# Allegro board 6089-103-RevA_73.brd (continued)
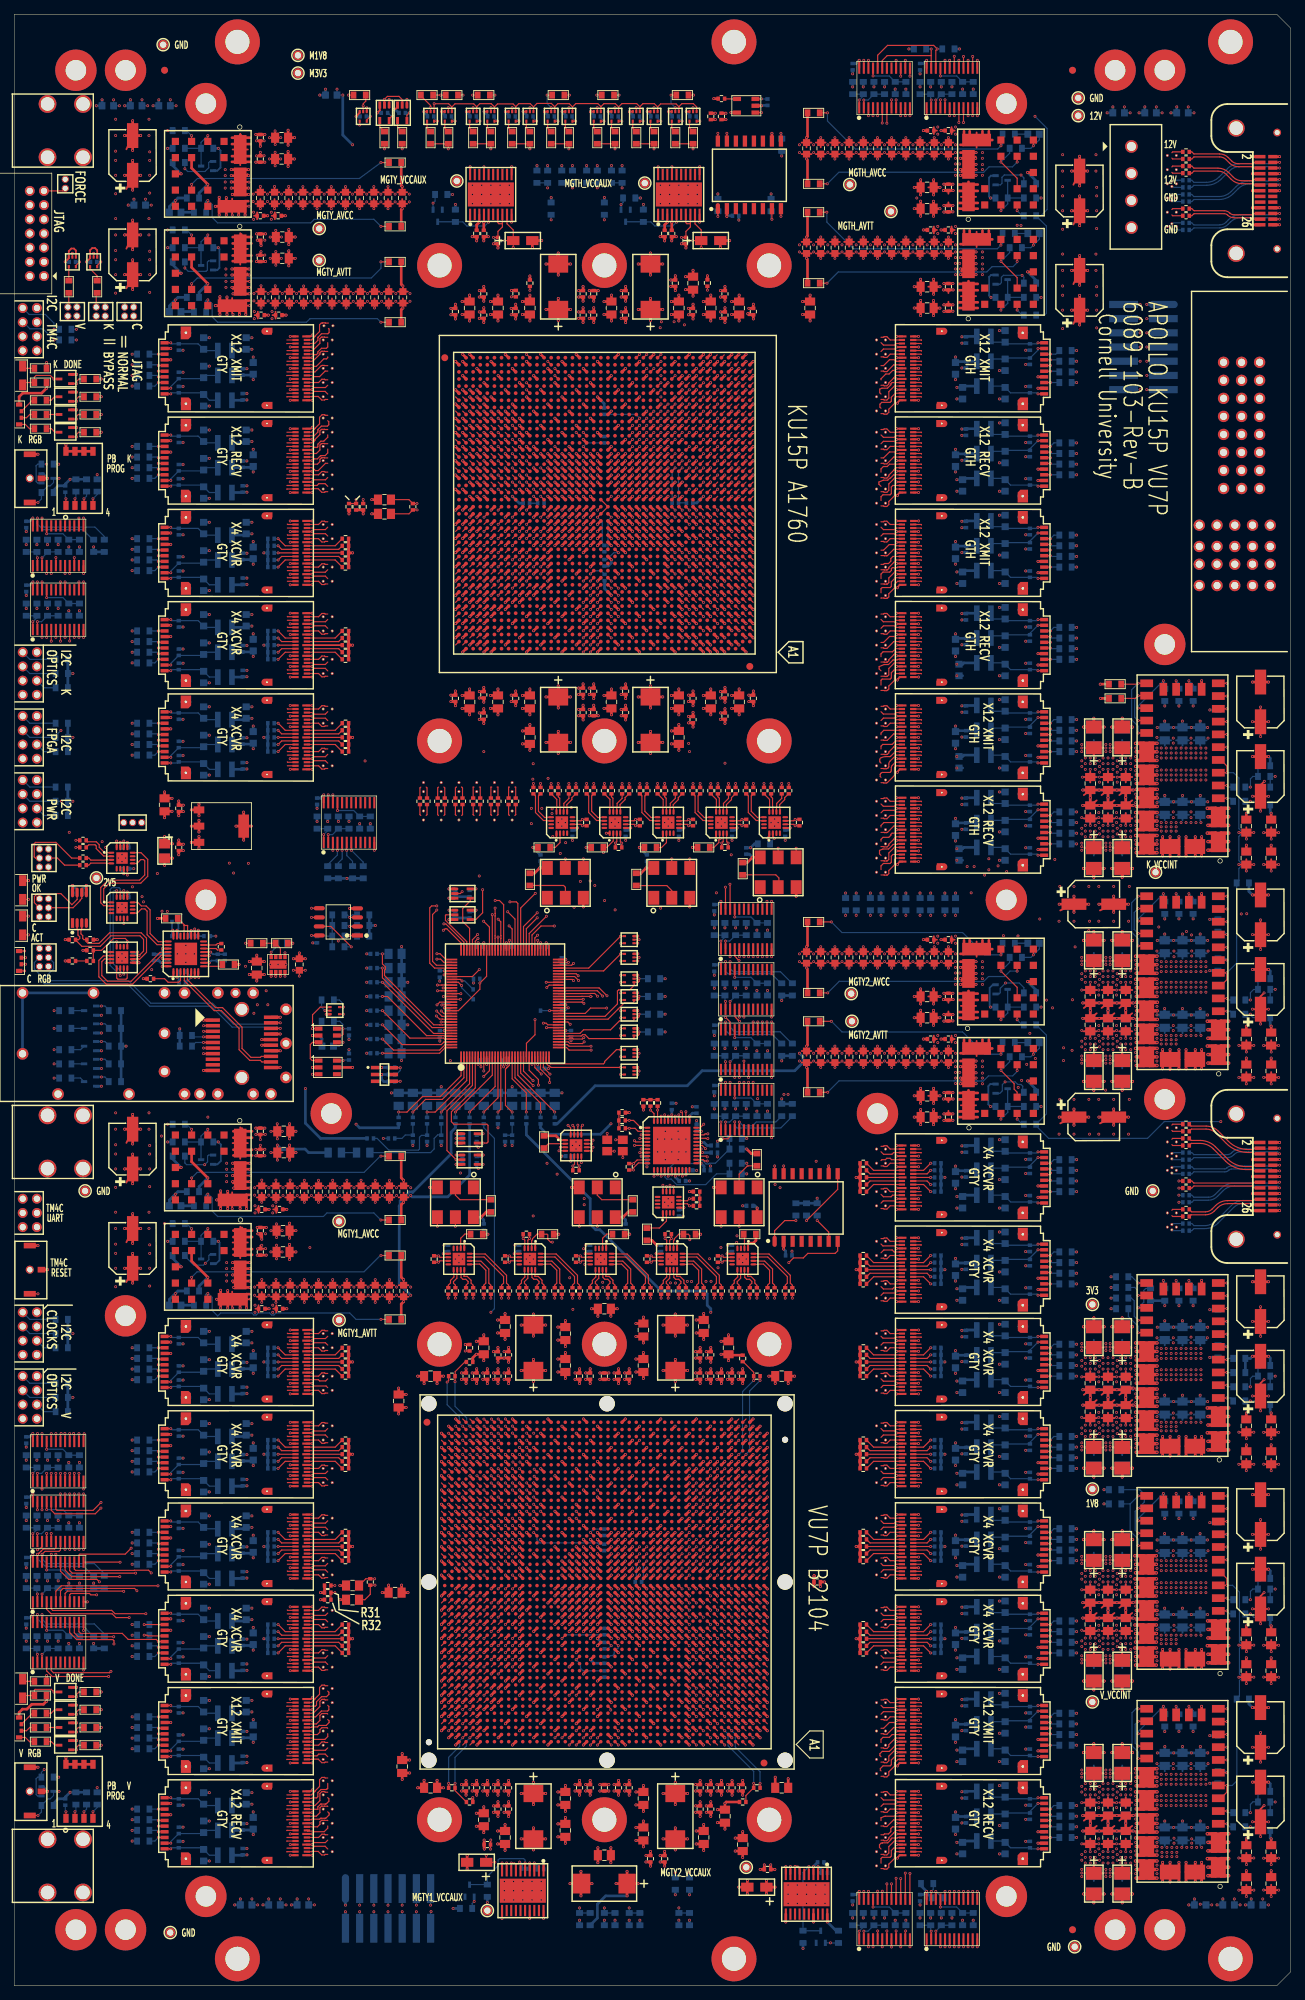
[diagram p0: board, top side]
## Routing (per net, layer and track width the routed paths; a pad name or vN(x,y) marks a point on that pad's centre or on a via; arc(x,y) is an arc through that point) (continued)
NV_FF2_XMIT3: length 53.5
  TOP w0.165: 127.85,98.37 127.85,98.4 U111.B5 126.69,98.4 ; U66.AN8 99.16,66.86
  SIG2 w0.083: 127.85,98.37 127.73,98.49 124.84,98.49 arc(124.52,98.43) 124.25,98.25 124.07,98.06 arc(123.73,97.84) 123.33,97.76 122.46,97.76 arc(121.89,97.65) 121.41,97.32 117.62,93.54 arc(117.29,93.05) 117.18,92.47 117.18,87.46 arc(117.2,87.41) 117.25,87.39 arc(117.3,87.37) 117.32,87.32 117.32,87.13 arc(117.3,87.08) 117.25,87.06 arc(117.2,87.04) 117.18,86.99 117.18,86.8 arc(117.2,86.75) 117.25,86.73 arc(117.3,86.71) 117.32,86.66 117.32,86.47 arc(117.3,86.42) 117.25,86.4 arc(117.2,86.38) 117.18,86.33 117.18,79 arc(116.95,77.87) 116.31,76.92 106.98,67.58 arc(106.61,67.34) 106.18,67.25 98.88,67.25 arc(98.85,67.24) 98.83,67.23 98.82,67.22 arc(98.78,67.16) 98.77,67.1 98.77,66.95 98.85,66.86 99.16,66.86
NV_FF3_RECV0: length 45.8
  TOP w0.165: 127.84,91.9 U112.B18 126.69,91.9 ; U66.AF1 106.17,59.85
  SIG1 w0.083: 106.17,59.85 105.85,59.85 105.77,59.77 105.77,59.53 arc(105.79,59.47) 105.85,59.44 106.58,59.44 arc(106.62,59.45) 106.66,59.47 arc(106.68,59.48) 106.71,59.5 116.37,69.16 arc(117.23,70.46) 117.53,71.98 117.53,79.35 arc(117.51,79.42) 117.45,79.44 arc(117.38,79.47) 117.36,79.53 117.36,79.68 arc(117.38,79.75) 117.45,79.77 arc(117.51,79.8) 117.53,79.86 117.53,80.01 arc(117.51,80.08) 117.45,80.1 arc(117.38,80.13) 117.36,80.19 117.36,80.34 arc(117.38,80.41) 117.45,80.43 arc(117.51,80.46) 117.53,80.52 117.53,82.76 117.55,82.84 arc(117.56,82.88) 117.58,82.92 117.65,83.07 117.86,83.57 118.05,84 arc(118.12,84.12) 118.22,84.24 125.34,91.36 125.4,91.42 125.4,91.42 126.27,91.75 127.64,91.75 arc(127.66,91.75) 127.68,91.75 127.71,91.78 127.84,91.9
NV_FF3_RECV1: length 46.7
  TOP w0.165: U66.AG3 104.16,60.87 ; 122.2,92.28 122.56,92.28 122.64,92.36 123.03,92.36 123.49,91.9 U112.A18
  SIG3 w0.083: 122.2,92.28 122.07,92.28 121.55,92.28 arc(121.43,92.26) 121.33,92.19 121.21,92.07 arc(121.15,92.03) 121.07,92.01 120.16,92.01 arc(119.8,91.94) 119.5,91.74 117.39,89.63 arc(117.08,89.16) 116.97,88.62 116.97,86.2 arc(116.96,86.16) 116.92,86.15 arc(116.89,86.13) 116.87,86.1 116.87,85.87 arc(116.89,85.83) 116.92,85.82 arc(116.96,85.8) 116.97,85.77 116.97,85.54 arc(116.96,85.5) 116.92,85.49 arc(116.89,85.47) 116.87,85.44 116.87,85.21 arc(116.89,85.17) 116.92,85.16 arc(116.96,85.14) 116.97,85.11 116.97,84.88 arc(116.96,84.84) 116.92,84.83 arc(116.89,84.81) 116.87,84.78 116.87,84.55 arc(116.89,84.51) 116.92,84.5 arc(116.96,84.48) 116.97,84.45 116.97,74 arc(116.76,72.95) 116.17,72.06 106.66,62.55 arc(106.55,62.48) 106.43,62.45 105.23,62.45 arc(104.98,62.4) 104.77,62.26 104.66,62.15 arc(104.58,62.04) 104.55,61.9 104.55,60.58 arc(104.55,60.54) 104.52,60.51 104.45,60.44 arc(104.42,60.42) 104.38,60.41 103.92,60.41 arc(103.82,60.45) 103.77,60.56 103.77,60.72 arc(103.78,60.75) 103.8,60.78 103.86,60.84 arc(103.89,60.86) 103.93,60.87 104.16,60.87
NV_FF3_RECV2: length 43.6
  TOP w0.165: 127.84,90.4 U112.B15 126.69,90.4 ; U66.AH1 106.17,61.86
  SIG3 w0.083: 127.84,90.4 127.68,90.24 124.83,90.24 arc(124.11,90.09) 123.49,89.69 118.58,84.77 arc(118.25,84.28) 118.14,83.7 118.14,81.84 arc(118.12,81.79) 118.08,81.78 arc(118.04,81.76) 118.02,81.72 118.02,81.51 arc(118.04,81.46) 118.08,81.45 arc(118.12,81.43) 118.14,81.39 118.14,81.18 arc(118.12,81.13) 118.08,81.12 arc(118.04,81.1) 118.02,81.06 118.02,80.85 arc(118.04,80.8) 118.08,80.79 arc(118.12,80.77) 118.14,80.73 118.14,80.52 arc(118.12,80.47) 118.08,80.46 arc(118.04,80.44) 118.02,80.4 118.02,80.19 arc(118.04,80.14) 118.08,80.13 arc(118.12,80.11) 118.14,80.07 118.14,73.92 arc(117.87,72.56) 117.1,71.4 107.12,61.43 105.98,61.43 arc(105.92,61.44) 105.88,61.47 105.8,61.55 arc(105.77,61.58) 105.77,61.62 105.77,61.73 arc(105.8,61.82) 105.89,61.86 106.17,61.86
NV_FF3_RECV3: length 43.3
  TOP w0.165: U66.AJ3 104.16,62.88 ; 122.2,90.28 122.52,90.6 124.12,90.6 124.32,90.4 U112.A15
  SIG1 w0.083: 122.2,90.28 121.53,90.28 arc(121.34,90.24) 121.18,90.14 arc(121.03,90.04) 120.85,90 120.39,90 arc(119.76,89.87) 119.22,89.51 117.48,87.77 arc(116.66,86.55) 116.37,85.1 116.37,81.07 arc(116.35,81.03) 116.3,81.01 arc(116.26,80.99) 116.24,80.94 116.24,80.74 arc(116.26,80.7) 116.3,80.68 arc(116.35,80.66) 116.37,80.61 116.37,80.41 arc(116.35,80.37) 116.3,80.35 arc(116.26,80.33) 116.24,80.28 116.24,80.08 arc(116.26,80.04) 116.3,80.02 arc(116.35,80) 116.37,79.95 116.37,73.27 arc(115.98,71.3) 114.86,69.62 107.98,62.75 arc(107.72,62.57) 107.41,62.51 103.9,62.51 arc(103.8,62.55) 103.76,62.66 103.77,62.81 arc(103.79,62.85) 103.83,62.88 arc(103.87,62.88) 103.91,62.88 104.16,62.88
NV_FF3_XMIT0: length 41.5
  TOP w0.165: U112.A2 123.49,83.9 123.03,83.44 122.64,83.44 122.56,83.52 122.2,83.52 ; U66.AF6 101.17,59.85
  SIG4 w0.083: 122.2,83.52 121.48,83.52 arc(121.36,83.54) 121.26,83.61 121.2,83.67 arc(121.12,83.72) 121.03,83.74 120.89,83.74 arc(120.38,83.64) 119.95,83.35 118.35,81.75 arc(118.13,81.43) 118.06,81.05 118.06,78.12 arc(118.07,78.09) 118.11,78.08 arc(118.14,78.06) 118.15,78.03 118.15,77.79 arc(118.14,77.76) 118.11,77.75 arc(118.07,77.73) 118.06,77.7 118.06,77.46 arc(118.07,77.43) 118.11,77.42 arc(118.14,77.4) 118.15,77.37 118.15,77.13 arc(118.14,77.1) 118.11,77.09 arc(118.07,77.07) 118.06,77.04 118.06,76.8 arc(118.07,76.77) 118.11,76.76 arc(118.14,76.74) 118.15,76.71 118.15,76.47 arc(118.14,76.44) 118.11,76.43 arc(118.07,76.41) 118.06,76.38 118.06,72.24 arc(117.98,71.82) 117.74,71.46 106.82,60.54 arc(106.49,60.33) 106.12,60.25 100.89,60.25 arc(100.86,60.24) 100.83,60.23 100.8,60.2 arc(100.78,60.16) 100.77,60.13 100.77,59.94 100.86,59.85 101.17,59.85
NV_FF3_XMIT1: length 43.2
  TOP w0.165: U66.AG8 99.16,60.87 ; 127.9,83.87 127.9,83.9 U112.B2
  SIG2 w0.083: 127.9,83.87 127.78,83.99 126.51,83.99 arc(125.94,83.88) 125.45,83.55 123.76,81.85 arc(123.74,81.81) 123.76,81.76 arc(123.78,81.71) 123.76,81.66 123.62,81.53 arc(123.57,81.51) 123.52,81.53 arc(123.47,81.55) 123.43,81.53 123.29,81.39 arc(123.27,81.34) 123.29,81.29 arc(123.31,81.24) 123.29,81.2 123.15,81.06 arc(123.1,81.04) 123.06,81.06 arc(123.01,81.08) 122.96,81.06 121.09,79.18 arc(120.79,78.75) 120.69,78.23 120.69,76.66 arc(120.45,75.47) 119.78,74.47 106.57,61.25 98.89,61.25 arc(98.85,61.24) 98.83,61.22 98.79,61.19 arc(98.77,61.16) 98.77,61.13 98.77,60.95 98.85,60.87 99.16,60.87
NV_FF3_XMIT2: length 41.5
  TOP w0.165: U66.AH6 101.17,61.86 ; U112.A5 124.32,85.4 124.11,85.19 122.53,85.19 122.2,85.52
  SIG4 w0.083: 122.2,85.52 121.57,85.52 arc(121.37,85.56) 121.2,85.67 121.13,85.74 arc(121.06,85.78) 120.98,85.8 120.8,85.8 arc(120.66,85.77) 120.54,85.69 117.25,82.4 arc(117.03,82.07) 116.95,81.68 116.95,79.7 arc(116.97,79.66) 117,79.64 arc(117.04,79.63) 117.06,79.59 117.06,79.37 arc(117.04,79.33) 117,79.31 arc(116.97,79.3) 116.95,79.26 116.95,79.04 arc(116.97,79) 117,78.98 arc(117.04,78.97) 117.06,78.93 117.06,78.71 arc(117.04,78.67) 117,78.65 arc(116.97,78.64) 116.95,78.6 116.95,78.38 arc(116.97,78.34) 117,78.32 arc(117.04,78.31) 117.06,78.27 117.06,78.05 arc(117.04,78.01) 117,77.99 arc(116.97,77.98) 116.95,77.94 116.95,73.07 arc(116.89,72.77) 116.72,72.51 106.55,62.34 arc(106.45,62.27) 106.33,62.25 100.9,62.25 arc(100.86,62.24) 100.82,62.22 arc(100.79,62.16) 100.77,62.09 100.77,61.94 100.86,61.86 101.17,61.86
NV_FF3_XMIT3: length 44.3
  TOP w0.165: 127.85,85.37 127.85,85.4 U112.B5 126.69,85.4 ; U66.AJ8 99.16,62.88
  SIG2 w0.083: 127.85,85.37 127.73,85.49 124.72,85.49 arc(124.51,85.45) 124.33,85.33 124.15,85.15 arc(123.74,84.87) 123.24,84.77 122.45,84.77 arc(121.96,84.68) 121.54,84.4 121.42,84.27 121.41,84.27 121.19,84.05 121.19,84.05 121.14,83.99 120.23,83.08 arc(119.89,82.57) 119.77,81.97 119.77,80.78 arc(119.78,80.74) 119.82,80.73 arc(119.87,80.71) 119.88,80.67 119.88,80.45 arc(119.87,80.41) 119.82,80.4 arc(119.78,80.38) 119.77,80.34 119.77,80.12 arc(119.78,80.08) 119.82,80.07 arc(119.87,80.05) 119.88,80.01 119.88,79.79 arc(119.87,79.75) 119.82,79.74 arc(119.78,79.72) 119.77,79.68 119.77,77.89 arc(119.52,76.65) 118.82,75.6 106.47,63.25 98.88,63.25 arc(98.85,63.24) 98.83,63.23 98.79,63.19 arc(98.77,63.16) 98.77,63.13 98.77,62.99 arc(98.77,62.98) 98.77,62.96 arc(98.77,62.96) 98.77,62.96 98.85,62.88 99.16,62.88
NV_FF4_RECV0: length 40.4
  TOP w0.165: 126.69,78.9 U113.B18 127.84,78.9 ; U66.AB1 106.17,54.94
  SIG1 w0.083: 106.17,54.94 105.85,54.94 105.77,54.85 105.77,54.64 arc(105.78,54.6) 105.81,54.57 arc(105.85,54.54) 105.9,54.53 arc(105.94,54.52) 105.98,54.51 109.28,54.51 arc(109.97,54.65) 110.56,55.04 120.12,64.6 arc(120.59,65.32) 120.76,66.16 120.76,68.81 arc(120.74,68.87) 120.68,68.89 arc(120.62,68.91) 120.6,68.97 120.6,69.14 arc(120.62,69.2) 120.68,69.22 arc(120.74,69.24) 120.76,69.3 120.76,69.47 arc(120.74,69.53) 120.68,69.55 arc(120.62,69.57) 120.6,69.63 120.6,69.8 arc(120.62,69.86) 120.68,69.88 arc(120.74,69.9) 120.76,69.96 120.76,73.35 arc(120.92,74.15) 121.37,74.84 arc(121.38,74.84) 121.38,74.85 123.28,76.74 arc(123.46,77.02) 123.52,77.34 123.52,77.39 arc(123.6,77.78) 123.82,78.12 124.19,78.49 arc(124.46,78.67) 124.77,78.73 127.67,78.73 127.84,78.9
NV_FF4_RECV1: length 38.4
  TOP w0.165: 122.2,79.28 122.56,79.28 122.64,79.36 123.03,79.36 123.49,78.9 U113.A18 ; U66.AC3 104.16,55.93
  SIG3 w0.083: 122.2,79.28 121.52,79.28 arc(121.35,79.25) 121.21,79.15 121.11,79.05 arc(121.03,79) 120.94,78.98 120.57,78.98 arc(120.31,78.93) 120.09,78.78 119.34,78.03 arc(119.16,77.77) 119.1,77.45 119.1,72.95 arc(118.89,71.9) 118.3,71.01 117.2,69.92 arc(117.15,69.9) 117.1,69.92 arc(117.05,69.94) 116.99,69.92 116.86,69.79 arc(116.84,69.74) 116.86,69.69 arc(116.89,69.63) 116.86,69.58 116.74,69.45 arc(116.68,69.43) 116.63,69.45 arc(116.58,69.47) 116.53,69.45 116.4,69.32 arc(116.38,69.27) 116.4,69.22 arc(116.42,69.17) 116.4,69.11 107.05,59.76 arc(106.73,59.55) 106.36,59.48 104.83,59.48 arc(104.72,59.46) 104.63,59.39 104.6,59.36 arc(104.53,59.26) 104.51,59.15 104.51,55.68 arc(104.5,55.64) 104.48,55.62 104.45,55.58 arc(104.42,55.57) 104.39,55.56 103.89,55.56 arc(103.86,55.57) 103.83,55.58 103.8,55.62 arc(103.78,55.64) 103.77,55.68 103.77,55.84 103.85,55.93 104.16,55.93
NV_FF4_RECV2: length 34.3
  TOP w0.165: U66.AD1 106.17,57.87 ; 127.84,77.4 U113.B15 126.69,77.4
  SIG3 w0.083: 127.84,77.4 127.75,77.31 124.87,77.31 arc(124.28,77.19) 123.78,76.86 120.82,73.9 arc(120.4,73.27) 120.25,72.53 120.25,72.17 arc(120.03,71.05) 119.39,70.1 117.85,68.56 arc(117.78,68.53) 117.71,68.56 arc(117.64,68.59) 117.56,68.56 117.47,68.46 arc(117.44,68.39) 117.47,68.32 arc(117.5,68.25) 117.47,68.18 117.38,68.09 arc(117.31,68.06) 117.24,68.09 117.24,68.09 arc(117.17,68.12) 117.1,68.09 117.01,68 arc(116.98,67.93) 117.01,67.86 arc(117.03,67.79) 117.01,67.72 107.06,57.77 arc(106.77,57.57) 106.43,57.5 105.9,57.5 105.82,57.54 arc(105.78,57.61) 105.77,57.7 105.77,57.79 105.85,57.87 106.17,57.87
NV_FF4_RECV3: length 33.8
  TOP w0.165: U66.AE3 104.16,58.86 ; 122.2,77.28 122.53,77.61 124.11,77.61 124.32,77.4 U113.A15
  SIG1 w0.083: 122.2,77.28 121.47,77.28 arc(121.38,77.26) 121.3,77.21 121.29,77.2 arc(121.15,77.11) 120.98,77.08 120.8,77.08 arc(120.69,77.06) 120.59,76.99 119.93,76.33 arc(119.68,75.95) 119.59,75.52 119.59,74.86 arc(119.57,74.79) 119.5,74.77 arc(119.44,74.74) 119.42,74.68 119.42,74.53 arc(119.44,74.46) 119.5,74.44 arc(119.57,74.41) 119.59,74.35 119.59,74.2 arc(119.57,74.13) 119.5,74.11 arc(119.44,74.08) 119.42,74.02 119.42,73.87 arc(119.44,73.8) 119.5,73.78 arc(119.57,73.75) 119.59,73.69 119.59,72.27 arc(119.34,70.99) 118.61,69.9 107.36,58.65 arc(107.16,58.52) 106.92,58.47 103.97,58.47 arc(103.88,58.48) 103.8,58.53 arc(103.79,58.53) 103.79,58.54 103.77,58.56 103.77,58.78 103.85,58.86 104.16,58.86
NV_FF4_XMIT0: length 35.1
  TOP w0.165: 122.2,70.52 122.56,70.52 122.64,70.44 123.03,70.44 123.49,70.9 U113.A2 ; U66.AB6 101.17,54.94
  SIG4 w0.083: 122.2,70.52 122.19,70.53 121.41,70.53 121.15,70.79 arc(121.11,70.82) 121.06,70.83 120.78,70.83 arc(120.65,70.8) 120.54,70.73 120.33,70.52 arc(120.27,70.43) 120.25,70.33 120.25,69.34 arc(120.27,69.3) 120.31,69.28 arc(120.35,69.26) 120.37,69.22 120.37,69.01 arc(120.35,68.97) 120.31,68.95 arc(120.27,68.93) 120.25,68.89 120.25,68.68 arc(120.27,68.64) 120.31,68.62 arc(120.35,68.6) 120.37,68.56 120.37,68.35 arc(120.35,68.31) 120.31,68.29 arc(120.27,68.27) 120.25,68.23 120.25,66.98 arc(120.09,66.19) 119.64,65.52 109.74,55.61 arc(109.44,55.41) 109.09,55.34 100.86,55.34 arc(100.83,55.33) 100.8,55.32 100.8,55.31 arc(100.78,55.29) 100.77,55.25 100.77,55.02 100.86,54.94 101.17,54.94
NV_FF4_XMIT1: length 38
  TOP w0.165: U66.AC8 99.16,55.93 ; 127.9,70.87 127.9,70.9 U113.B2
  SIG2 w0.083: 99.16,55.93 98.85,55.93 98.77,56.01 98.77,56.43 arc(98.77,56.46) 98.79,56.49 98.83,56.53 arc(98.85,56.54) 98.88,56.55 106.04,56.55 116.09,66.59 arc(116.13,66.61) 116.18,66.59 arc(116.22,66.57) 116.27,66.59 116.41,66.73 arc(116.43,66.78) 116.41,66.83 arc(116.39,66.87) 116.41,66.92 116.55,67.06 arc(116.6,67.08) 116.64,67.06 arc(116.69,67.04) 116.74,67.06 116.88,67.2 arc(116.9,67.25) 116.88,67.29 arc(116.86,67.34) 116.88,67.39 118.51,69.02 arc(119.21,69.49) 120.04,69.65 121.9,69.65 arc(122.61,69.79) 123.21,70.2 123.48,70.47 arc(124.06,70.85) 124.74,70.99 127.77,70.99 127.89,70.87 127.9,70.87
NV_FF4_XMIT2: length 32.9
  TOP w0.165: U66.AD6 101.17,57.87 ; U113.A5 124.32,72.4 124.1,72.18 122.54,72.18 122.2,72.52
  SIG4 w0.083: 122.2,72.52 121.44,72.52 arc(121.33,72.54) 121.24,72.6 121.09,72.76 arc(120.99,72.82) 120.88,72.84 arc(120.87,72.84) 120.87,72.84 120.33,72.84 arc(120.05,72.78) 119.81,72.62 119.53,72.35 arc(119.37,72.1) 119.31,71.81 119.31,71.53 arc(119.19,70.93) 118.85,70.42 117.39,68.96 arc(117.37,68.91) 117.39,68.87 arc(117.41,68.82) 117.39,68.78 117.25,68.63 arc(117.2,68.62) 117.16,68.63 arc(117.11,68.65) 117.07,68.63 116.92,68.49 arc(116.91,68.45) 116.92,68.4 arc(116.94,68.36) 116.92,68.31 116.78,68.17 arc(116.74,68.15) 116.69,68.17 arc(116.64,68.19) 116.6,68.17 107.07,58.64 arc(106.68,58.38) 106.23,58.29 100.89,58.29 arc(100.86,58.28) 100.83,58.27 100.8,58.23 arc(100.78,58.21) 100.77,58.17 100.77,57.96 100.86,57.87 101.17,57.87
NV_FF4_XMIT3: length 37.3
  TOP w0.165: U66.AE8 99.16,58.86 ; 126.69,72.4 U113.B5 127.85,72.4 127.85,72.37
  SIG2 w0.083: 127.85,72.37 127.73,72.49 124.8,72.49 arc(124.52,72.43) 124.27,72.27 124.23,72.23 arc(123.76,71.92) 123.21,71.81 119.64,71.81 arc(119.12,71.7) 118.67,71.41 115.57,68.3 arc(115.55,68.26) 115.57,68.22 arc(115.59,68.18) 115.57,68.13 115.42,67.98 arc(115.38,67.97) 115.34,67.98 arc(115.29,68) 115.25,67.98 115.1,67.83 arc(115.08,67.79) 115.1,67.75 arc(115.12,67.71) 115.1,67.67 114.95,67.52 arc(114.91,67.5) 114.87,67.52 arc(114.83,67.53) 114.79,67.52 106.57,59.3 98.88,59.3 arc(98.85,59.29) 98.83,59.27 98.8,59.25 arc(98.78,59.21) 98.77,59.17 98.77,58.95 98.85,58.86 99.16,58.86
NV_FF5_RECV0: length 31.2
  TOP w0.165: 126.69,65.9 U114.B18 127.84,65.9 ; U66.V1 106.17,50.92
  SIG1 w0.083: 127.84,65.9 127.68,65.74 126.24,65.74 arc(125.76,65.64) 125.35,65.37 117.44,57.46 arc(117.38,57.43) 117.31,57.46 arc(117.25,57.48) 117.19,57.46 117.08,57.35 arc(117.05,57.29) 117.08,57.22 arc(117.1,57.16) 117.08,57.1 116.97,56.99 arc(116.91,56.97) 116.85,56.99 arc(116.78,57.02) 116.72,56.99 116.61,56.88 arc(116.59,56.82) 116.61,56.76 arc(116.64,56.69) 116.61,56.63 110.52,50.54 105.93,50.54 arc(105.89,50.55) 105.86,50.57 105.8,50.63 arc(105.77,50.67) 105.77,50.71 105.77,50.84 105.85,50.92 106.17,50.92
NV_FF5_RECV1: length 34.1
  TOP w0.165: U114.A18 123.49,65.9 123.03,66.36 122.64,66.36 122.56,66.28 122.2,66.28 ; U66.W3 104.16,51.94
  SIG3 w0.083: 122.2,66.28 121.58,66.28 arc(121.43,66.25) 121.31,66.17 121.13,65.99 arc(121.07,65.95) 121,65.93 120.09,65.93 arc(119.85,65.88) 119.64,65.75 113.63,59.74 arc(113.38,59.36) 113.29,58.91 113.29,58.19 arc(113.21,57.79) 112.99,57.46 110.56,55.03 arc(109.97,54.64) 109.28,54.5 102.74,54.5 102.5,54.26 102.5,51.7 arc(102.53,51.55) 102.62,51.42 102.68,51.36 arc(102.78,51.29) 102.89,51.27 103.39,51.27 arc(103.5,51.29) 103.59,51.36 103.69,51.45 arc(103.75,51.54) 103.77,51.66 103.77,51.79 arc(103.78,51.85) 103.82,51.9 103.85,51.94 104.16,51.94
NV_FF5_RECV2: length 29.7
  TOP w0.165: 126.69,64.4 U114.B15 127.84,64.4 ; U66.Y1 106.17,52.93
  SIG3 w0.083: 127.84,64.4 127.69,64.25 124.78,64.25 arc(123.92,64.08) 123.19,63.59 123.19,63.59 118.24,58.64 arc(118.18,58.61) 118.12,58.64 arc(118.06,58.66) 118,58.64 117.88,58.52 arc(117.86,58.46) 117.88,58.4 arc(117.91,58.34) 117.88,58.28 117.77,58.17 arc(117.71,58.14) 117.65,58.17 arc(117.59,58.19) 117.53,58.17 117.42,58.06 arc(117.39,58) 117.42,57.94 arc(117.44,57.88) 117.42,57.82 113.11,53.51 arc(111.99,52.76) 110.67,52.49 105.93,52.49 arc(105.85,52.51) 105.79,52.55 105.79,52.55 arc(105.77,52.58) 105.77,52.61 105.77,52.85 105.85,52.93 106.17,52.93
NV_FF5_RECV3: length 28.2
  TOP w0.165: U66.AA3 104.16,53.95 ; U114.A15 124.32,64.4 124.11,64.62 122.53,64.62 122.2,64.28
  SIG1 w0.083: 104.16,53.95 103.88,53.95 arc(103.81,53.9) 103.8,53.82 103.87,53.65 arc(103.9,53.61) 103.94,53.6 111.16,53.6 arc(111.8,53.73) 112.34,54.09 116.27,58.02 arc(116.29,58.06) 116.27,58.11 arc(116.25,58.16) 116.27,58.2 116.41,58.34 arc(116.46,58.36) 116.5,58.34 arc(116.55,58.32) 116.59,58.34 116.74,58.49 arc(116.76,58.53) 116.74,58.58 116.74,58.58 arc(116.72,58.62) 116.74,58.67 116.88,58.81 arc(116.92,58.83) 116.97,58.81 arc(117.02,58.79) 117.06,58.81 119.1,60.85 arc(119.69,61.73) 119.9,62.77 arc(119.98,63.18) 120.19,63.55 arc(120.25,63.61) 120.32,63.66 arc(120.65,63.82) 120.99,63.96 arc(120.99,63.97) 120.99,63.97 121.18,64.04 121.35,64.21 arc(121.42,64.26) 121.5,64.27 121.96,64.27 arc(122,64.27) 122.04,64.28 122.19,64.29 122.2,64.28
NV_FF5_XMIT0: length 29
  TOP w0.165: 122.2,57.52 122.56,57.52 122.64,57.44 123.03,57.44 123.49,57.9 U114.A2 ; U66.V6 101.17,50.92
  SIG4 w0.083: 101.17,50.92 100.86,50.92 100.8,50.98 arc(100.78,51.01) 100.77,51.04 100.77,51.27 arc(100.78,51.3) 100.8,51.33 100.83,51.36 arc(100.86,51.38) 100.89,51.38 113.27,51.38 arc(114.21,51.57) 115,52.1 118.17,55.27 arc(118.23,55.29) 118.29,55.27 arc(118.35,55.24) 118.41,55.27 118.52,55.38 arc(118.55,55.44) 118.52,55.5 arc(118.5,55.56) 118.52,55.62 118.63,55.73 arc(118.69,55.76) 118.75,55.73 arc(118.81,55.71) 118.88,55.73 118.99,55.85 arc(119.01,55.91) 118.99,55.97 arc(118.96,56.03) 118.99,56.09 120.68,57.78 arc(120.7,57.79) 120.73,57.8 120.79,57.8 arc(120.94,57.77) 121.07,57.68 121.1,57.65 arc(121.24,57.55) 121.42,57.52 122.2,57.52
NV_FF5_XMIT1: length 34
  TOP w0.165: 127.9,57.87 127.9,57.9 U114.B2 ; U66.W8 99.16,51.94
  SIG2 w0.083: 99.16,51.94 98.85,51.94 98.77,52.02 98.77,52.25 arc(98.78,52.29) 98.8,52.32 98.83,52.35 arc(98.85,52.37) 98.88,52.37 113.31,52.37 arc(114.16,52.54) 114.87,53.02 115.94,54.09 arc(116.88,54.72) 117.99,54.94 119.62,54.94 arc(119.67,54.92) 119.69,54.87 arc(119.71,54.82) 119.75,54.8 119.95,54.8 arc(120,54.82) 120.02,54.87 arc(120.04,54.92) 120.08,54.94 120.28,54.94 arc(120.33,54.92) 120.35,54.87 arc(120.37,54.82) 120.41,54.8 120.61,54.8 arc(120.66,54.82) 120.68,54.87 arc(120.7,54.92) 120.74,54.94 122.83,54.94 arc(123.7,55.11) 124.43,55.6 126.53,57.7 arc(126.85,57.91) 127.22,57.99 127.77,57.99 127.89,57.87 127.9,57.87
NV_FF5_XMIT2: length 28.9
  TOP w0.165: U66.Y6 101.17,52.93 ; 122.2,59.52 122.5,59.22 124.14,59.22 124.32,59.4 U114.A5
  SIG4 w0.083: 122.2,59.52 121.27,59.52 arc(121.23,59.53) 121.2,59.55 120.99,59.76 arc(120.95,59.79) 120.9,59.8 120.53,59.8 arc(120.18,59.73) 119.88,59.53 118.08,57.73 arc(118.07,57.69) 118.08,57.64 arc(118.1,57.6) 118.08,57.56 117.93,57.41 arc(117.89,57.39) 117.85,57.41 arc(117.81,57.43) 117.76,57.41 117.62,57.26 arc(117.6,57.22) 117.62,57.18 arc(117.63,57.13) 117.62,57.09 117.47,56.94 arc(117.43,56.93) 117.38,56.94 arc(117.34,56.96) 117.3,56.94 114.12,53.77 arc(113.7,53.49) 113.21,53.39 100.89,53.39 arc(100.86,53.38) 100.83,53.37 100.8,53.33 arc(100.78,53.31) 100.77,53.27 100.77,53.01 100.86,52.93 101.17,52.93
NV_FF5_XMIT3: length 34
  TOP w0.165: 126.69,59.4 U114.B5 127.85,59.4 127.85,59.37 ; U66.AA8 99.16,53.95
  SIG2 w0.083: 99.16,53.95 98.85,53.95 98.77,54.03 98.77,54.15 arc(98.77,54.2) 98.78,54.24 arc(98.79,54.26) 98.8,54.27 arc(98.81,54.29) 98.82,54.31 arc(98.87,54.36) 98.93,54.37 113.67,54.37 arc(114.32,54.5) 114.87,54.87 116.23,56.23 arc(116.28,56.25) 116.34,56.23 arc(116.39,56.2) 116.45,56.23 116.57,56.35 arc(116.59,56.4) 116.57,56.46 arc(116.55,56.52) 116.57,56.57 116.69,56.69 arc(116.75,56.72) 116.8,56.69 arc(116.86,56.67) 116.92,56.69 117.04,56.81 arc(117.06,56.87) 117.04,56.93 arc(117.01,56.98) 117.04,57.04 118.32,58.32 arc(118.82,58.65) 119.4,58.77 123.3,58.77 arc(123.74,58.86) 124.1,59.1 124.29,59.29 arc(124.55,59.46) 124.87,59.53 127.69,59.53 127.85,59.37
NV_FF6_RECV0: length 27.4
  TOP w0.165: 127.84,52.9 U115.B18 126.69,52.9 ; U66.P1 106.17,46.94
  SIG1 w0.083: 106.17,46.94 105.82,46.94 arc(105.76,46.91) 105.73,46.85 105.73,46.69 arc(105.74,46.65) 105.76,46.63 105.81,46.58 arc(105.84,46.56) 105.87,46.55 114.32,46.55 arc(114.38,46.58) 114.4,46.63 arc(114.43,46.69) 114.48,46.71 114.65,46.71 arc(114.71,46.69) 114.73,46.63 arc(114.76,46.58) 114.81,46.55 114.98,46.55 arc(115.04,46.58) 115.06,46.63 arc(115.09,46.69) 115.14,46.71 115.31,46.71 arc(115.37,46.69) 115.39,46.63 arc(115.42,46.58) 115.47,46.55 118.5,46.55 arc(119.98,46.85) 121.23,47.68 122.87,49.32 arc(123.4,49.68) 124.04,49.8 124.04,49.8 arc(124.27,49.85) 124.46,49.98 127.23,52.75 arc(127.27,52.78) 127.32,52.79 127.73,52.79 127.84,52.9
NV_FF6_RECV1: length 28.9
  TOP w0.165: 122.2,53.28 122.56,53.28 122.64,53.36 123.03,53.36 123.49,52.9 U115.A18 ; U66.R3 104.16,47.93
  SIG3 w0.083: 122.2,53.28 121.47,53.28 arc(121.25,53.24) 121.06,53.11 121.04,53.09 arc(120.94,53.02) 120.82,53 116.37,53 arc(114.92,52.71) 113.69,51.89 113.36,51.56 arc(112.24,50.81) 110.92,50.55 103.22,50.55 arc(102.96,50.5) 102.74,50.35 arc(102.65,50.22) 102.62,50.06 102.62,47.8 arc(102.65,47.62) 102.76,47.47 102.82,47.4 arc(102.91,47.34) 103.03,47.32 103.45,47.32 arc(103.56,47.34) 103.65,47.4 103.69,47.44 arc(103.75,47.53) 103.77,47.64 103.77,47.81 arc(103.78,47.84) 103.8,47.87 103.85,47.93 104.16,47.93
NV_FF6_RECV2: length 26
  TOP w0.165: 127.84,51.4 U115.B15 126.69,51.4 ; U66.T1 106.17,48.94
  SIG3 w0.083: 127.84,51.4 127.7,51.26 124.8,51.26 arc(124.07,51.12) 123.46,50.71 122.04,49.29 arc(121.18,48.71) 120.16,48.51 114.59,48.51 arc(114.55,48.53) 114.53,48.57 arc(114.51,48.62) 114.47,48.64 114.26,48.64 arc(114.22,48.62) 114.2,48.57 arc(114.18,48.53) 114.14,48.51 113.93,48.51 arc(113.89,48.53) 113.87,48.57 arc(113.85,48.62) 113.81,48.64 113.6,48.64 arc(113.56,48.62) 113.54,48.57 arc(113.52,48.53) 113.48,48.51 113.27,48.51 arc(113.23,48.53) 113.21,48.57 arc(113.19,48.62) 113.15,48.64 112.94,48.64 arc(112.9,48.62) 112.88,48.57 arc(112.86,48.53) 112.82,48.51 105.97,48.51 arc(105.9,48.52) 105.84,48.56 105.77,48.64 105.76,48.67 105.75,48.7 105.75,48.85 105.85,48.94 106.17,48.94
NV_FF6_RECV3: length 23.8
  TOP w0.165: 122.2,51.28 122.53,51.61 124.11,51.61 124.32,51.4 U115.A15 ; U66.U3 104.16,49.93
  SIG1 w0.083: 104.16,49.93 103.9,49.93 arc(103.87,49.94) 103.84,49.94 arc(103.79,49.91) 103.77,49.85 arc(103.77,49.77) 103.77,49.69 arc(103.79,49.65) 103.82,49.61 103.94,49.57 arc(103.98,49.55) 104.02,49.55 113.88,49.55 arc(113.93,49.57) 113.96,49.63 arc(113.98,49.68) 114.03,49.71 114.21,49.71 arc(114.26,49.68) 114.29,49.63 arc(114.31,49.57) 114.36,49.55 114.54,49.55 arc(114.59,49.57) 114.62,49.63 arc(114.64,49.68) 114.69,49.71 114.87,49.71 arc(114.92,49.68) 114.95,49.63 arc(114.97,49.57) 115.02,49.55 117.22,49.55 arc(117.75,49.66) 118.2,49.96 118.81,50.56 arc(119.29,50.89) 119.86,51 120.73,51 arc(120.89,51.03) 121.02,51.12 arc(121.2,51.24) 121.41,51.28 122.2,51.28
NV_FF6_XMIT0: length 27.3
  TOP w0.165: U66.P6 101.17,46.94 ; 122.2,44.52 122.56,44.52 122.64,44.44 123.03,44.44 123.49,44.9 U115.A2
  SIG4 w0.083: 101.17,46.94 100.86,46.94 100.77,47.02 100.77,47.05 100.77,47.24 100.79,47.3 100.81,47.32 100.84,47.35 100.92,47.37 112.82,47.37 arc(112.86,47.35) 112.87,47.32 arc(112.89,47.28) 112.93,47.26 113.15,47.26 arc(113.19,47.28) 113.2,47.31 arc(113.22,47.35) 113.26,47.37 113.48,47.37 arc(113.52,47.35) 113.53,47.32 arc(113.55,47.28) 113.59,47.26 113.81,47.26 arc(113.85,47.28) 113.86,47.31 arc(113.88,47.35) 113.92,47.37 116.96,47.37 arc(117.26,47.31) 117.52,47.14 119.37,45.28 arc(119.84,44.97) 120.38,44.86 120.88,44.86 arc(120.98,44.85) 121.06,44.79 121.25,44.6 arc(121.34,44.54) 121.45,44.52 122.2,44.52
NV_FF6_XMIT1: length 33.3
  TOP w0.165: U115.B2 127.9,44.9 127.9,44.87 ; U66.R8 99.16,47.93
  SIG2 w0.083: 127.9,44.87 127.89,44.87 127.73,45.03 124.67,45.03 arc(124.12,45.14) 123.65,45.45 123.4,45.7 arc(123.18,45.85) 122.91,45.9 120.25,45.9 arc(119.88,45.97) 119.56,46.19 117.56,48.19 arc(117.34,48.34) 117.08,48.39 114.49,48.39 arc(114.44,48.37) 114.42,48.32 arc(114.4,48.27) 114.35,48.25 114.16,48.25 arc(114.11,48.27) 114.09,48.32 arc(114.07,48.37) 114.02,48.39 113.83,48.39 arc(113.78,48.37) 113.76,48.32 arc(113.74,48.27) 113.69,48.25 113.5,48.25 arc(113.45,48.27) 113.43,48.32 arc(113.41,48.37) 113.36,48.39 98.88,48.39 arc(98.85,48.38) 98.83,48.36 98.79,48.33 arc(98.77,48.3) 98.77,48.27 98.77,48.01 98.85,47.93 99.16,47.93
